# Altium PCB FMC_ADC_128CH_10B.PcbDoc (part 12 of 14) (continued)
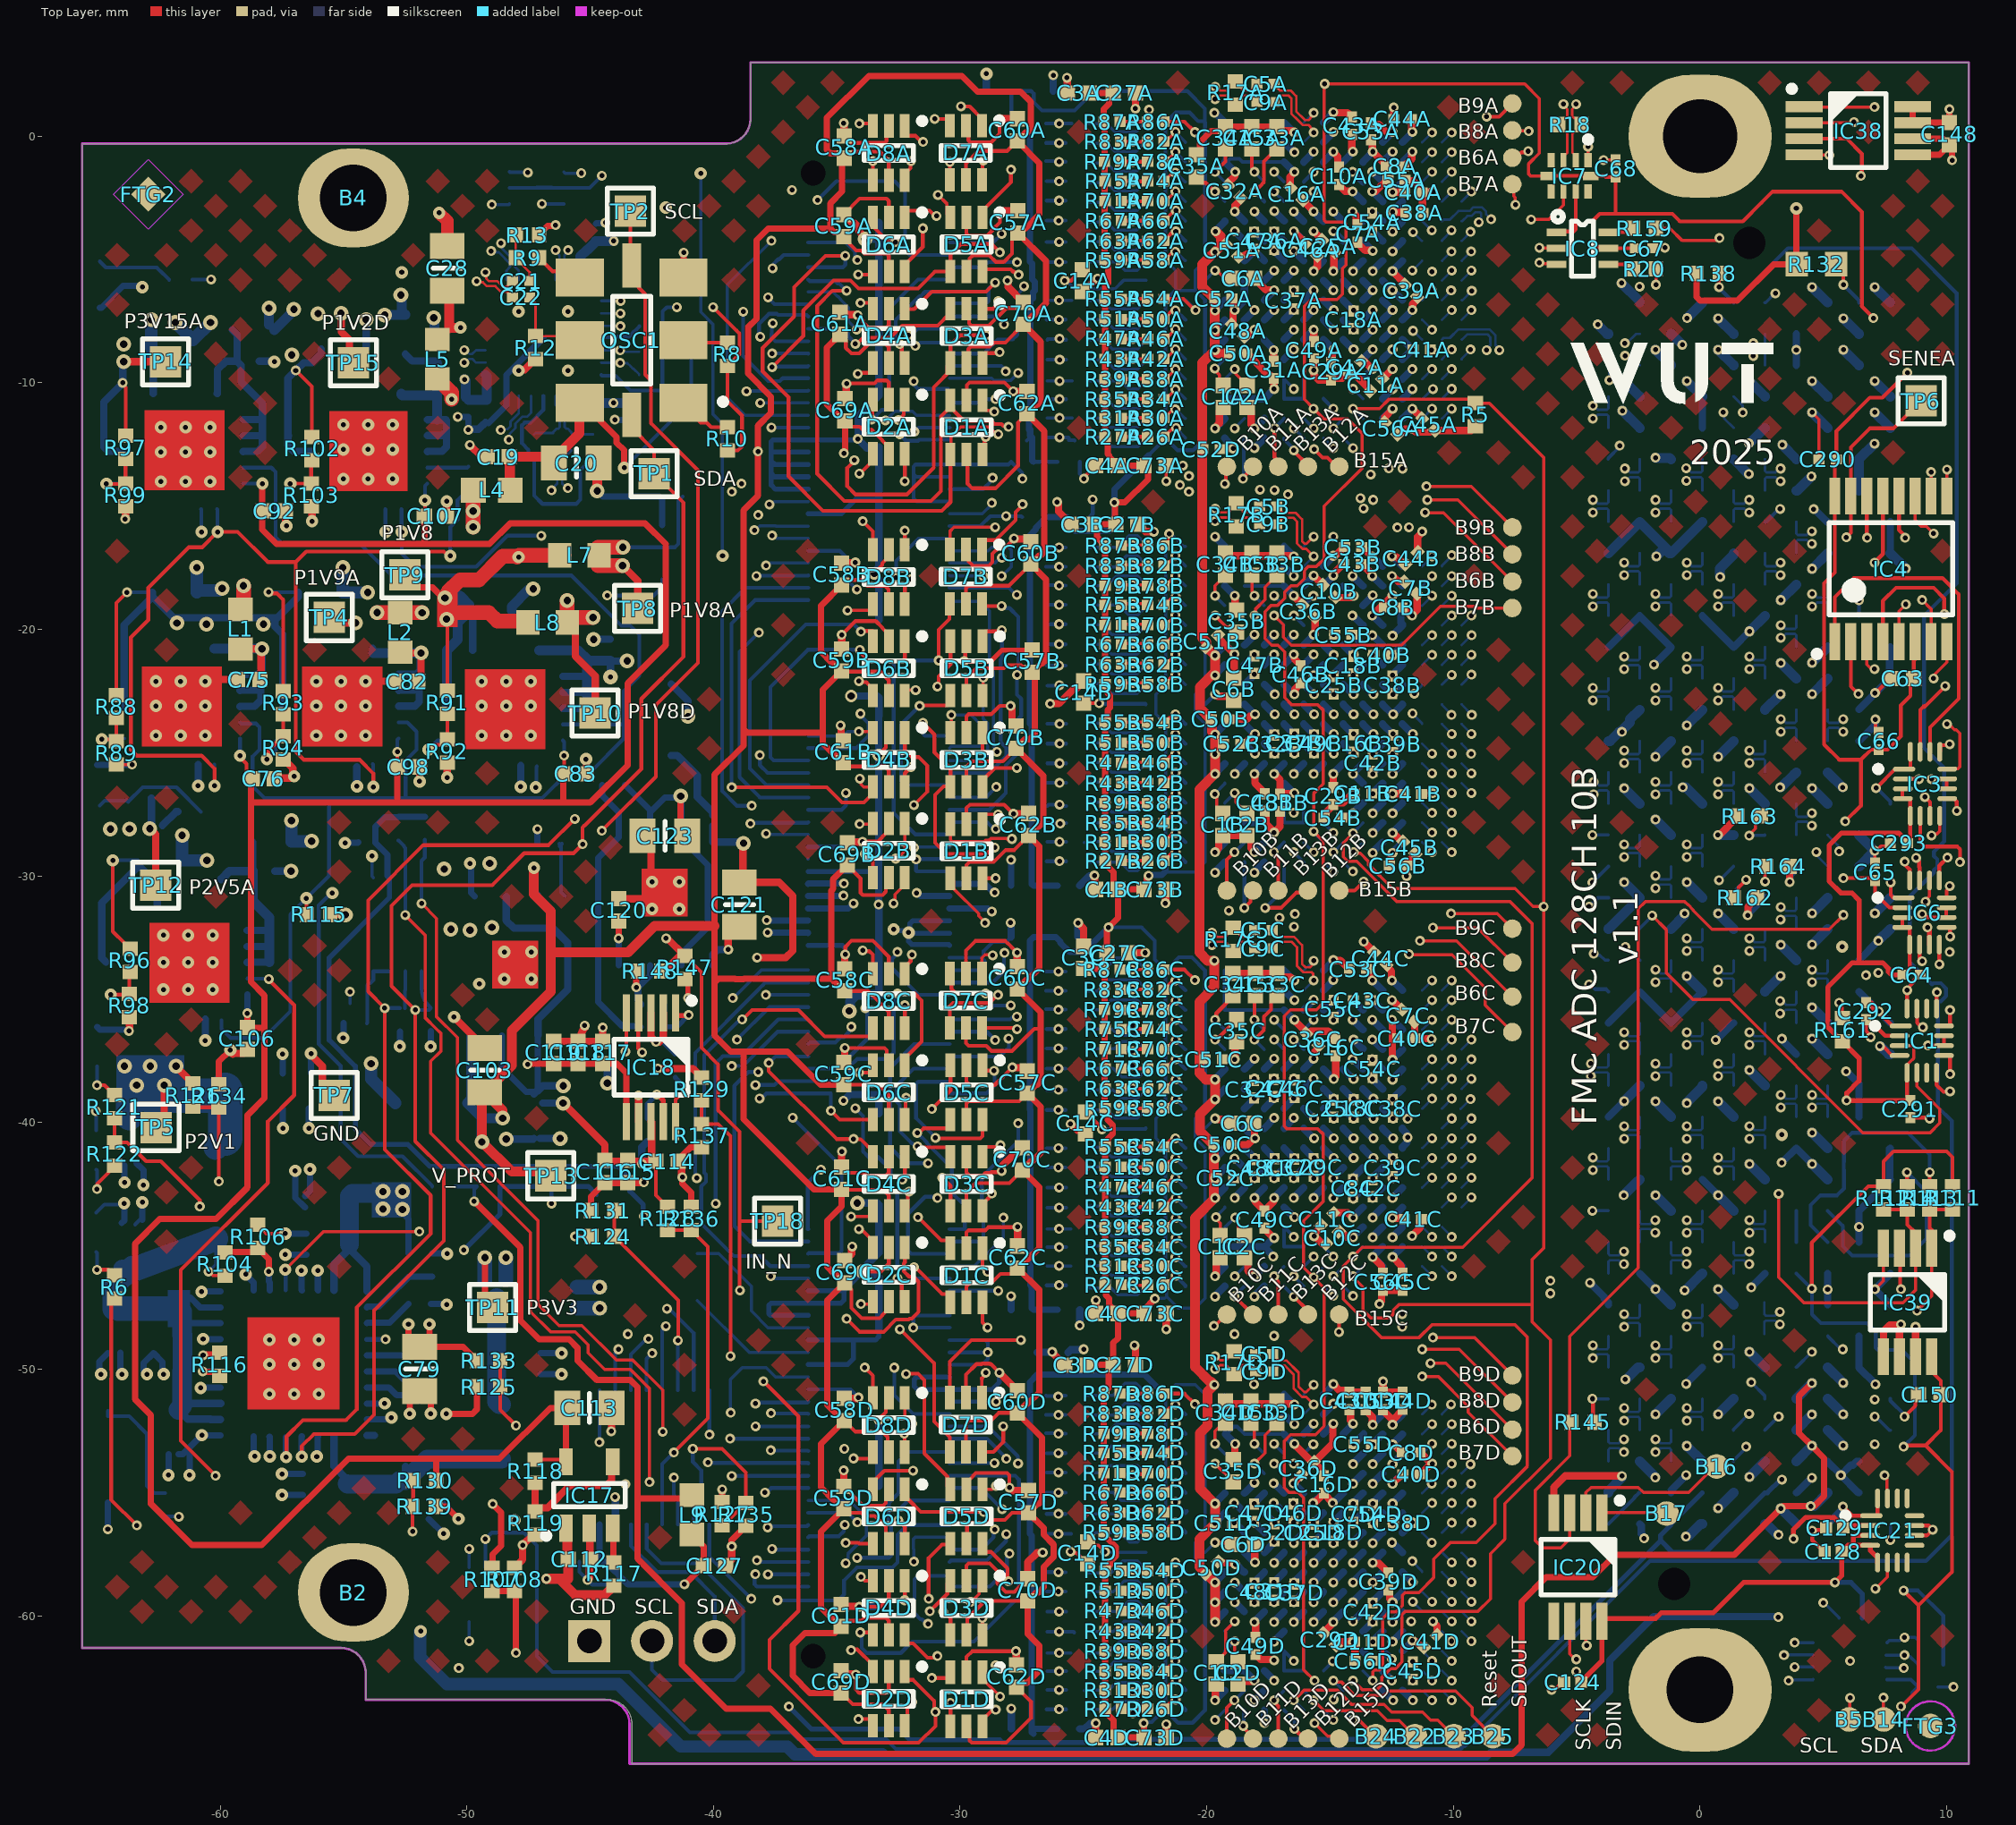
[diagram p0: Top Layer view]
## Nets (pads, with @x,y where several pads share a name; then routed paths per layer and width w, separated by ;. In a path a pad name is that pad's centre, name@x,y a point inside that pad or via, vN(x,y) a via of type N, cw(c..) or ccw(c..) an arc to the next point about the centre after c; other vN are vias at no path point) (continued)
  other v1: -15.667,-60.248 -15.667,-59.448 -14.867,-59.448 -15.678,-56.225 -14.878,-56.197 -15.667,-43.052 -14.867,-43.052 -15.667,-42.252 -14.867,-42.252 -14.845,-39.03 -14.045,-39.03 -14.045,-38.23 -15.667,-25.856 -14.845,-25.034 -14.045,-25.034 -15.667,-21.856 -14.867,-21.856 -14.845,-21.034 -14.045,-21.034 -16.708,-14.525 -17.253,-14.346 -17.844,-14.329 -14.045,-8.645 -14.845,-7.845 -14.045,-7.845
P1V8D: C38A.2 C38B.2 C38C.2 C38D.2 C39A.2 C39B.2 C39C.2 C39D.2 C40A.2 C40B.2 C40C.2 C40D.2 C41A.2 C41B.2 C41C.2 C41D.2 J1.91 J1.92 J1.93 J1.94 J1.95 L8.2 TP10.1 U1A.P4 U1A.P5 U1A.P6 U1A.P7 U1A.P11 U1A.P12 U1A.P13 U1A.P14 U1B.P4 U1B.P5 U1B.P6 U1B.P7 U1B.P11 U1B.P12 U1B.P13 U1B.P14 U1C.P4 U1C.P5 U1C.P6 U1C.P7 U1C.P11 U1C.P12 U1C.P13 U1C.P14 U1D.P4 U1D.P5 U1D.P6 U1D.P7 U1D.P11 U1D.P12 U1D.P13 U1D.P14 | length 40.4
  Top Layer w0.3: L8.2@-45.923,-19.715 -45.598,-20.04 -45.598,-21.084 -44.795,-21.887 TP10.1@-44.795,-23.391 ; C39D.2@-12.632,-58.95 -12.582,-59 -12.582,-59.306 -12.467,-59.421 v1(-12.467,-59.448) ; v1(-12.49,-35.83) -12.478,-35.841 -12.478,-37.441 v1(-12.467,-37.452) ; v1(-12.467,-54.648) -12.467,-54.637 -12.081,-54.252 C40D.2@-12.056,-54.252 ; v1(-12.467,-43.852) -12.448,-43.871 -12.025,-43.871 C41C.2@-11.985,-43.911 ; v1(-12.467,-26.656) -12.464,-26.66 -11.989,-26.66 C41B.2@-11.985,-26.663 ; v1(-12.467,-3.068) -12.451,-3.084 -11.946,-3.084 C38A.2@-11.93,-3.1 ; v1(-12.467,-2.268) -12.465,-2.269 -11.976,-2.269 C40A.2@-11.975,-2.271 ; v1(-11.667,-7.045) -11.648,-7.026 -11.648,-6.798 -11.447,-6.597 -11.447,-6.526 C39A.2@-11.465,-6.508 ; v1@-11.64,-61.003 -11.621,-61.022 -11.531,-61.022 -11.259,-61.294 -11.188,-61.294 C41D.2@-11.174,-61.28
  Top Layer w0.6: L8.2@-45.926,-19.83 v3(-45.926,-18.823) ; L8.2@-45.923,-19.315 L8.2@-45.918,-19.31 ; L8.2@-45.886,-19.514 v3(-44.879,-19.514)
  Bottom Layer w0.2: v2(-32.695,-32.157) -32.637,-32.214 -32.244,-32.214 -32.17,-32.289 v2(-32.089,-32.289) ; J1.95@-30.428,-32.812 -30.467,-32.774 -31.961,-32.774 -32.089,-32.647 v2(-32.089,-32.289) ; J1.93@-30.428,-32.312 -32.065,-32.312 v2(-32.089,-32.289) ; J1.91@-30.428,-31.812 -31.919,-31.812 -32.036,-31.93 -32.036,-32.237 v2(-32.089,-32.289)
  Bottom Layer w0.254: v1(-37.836,-31.788) -37.823,-31.8 -36.17,-31.8 J1.92@-36.158,-31.812 ; v1(-37.806,-32.289) -37.794,-32.301 -36.17,-32.301 J1.94@-36.158,-32.312
  Bottom Layer w0.3: v1@-12.467,-61.025 U1D.P13@-12.067,-60.625 ; v1@-12.467,-60.225 U1D.P12@-12.067,-59.825 ; v1@-12.467,-59.425 U1D.P11@-12.067,-59.025 ; v1@-12.467,-56.225 U1D.P7@-12.067,-55.825 ; v1@-12.467,-55.425 U1D.P6@-12.067,-55.025 ; v1@-12.467,-54.625 U1D.P5@-12.067,-54.225 ; v1@-12.467,-53.825 U1D.P4@-12.067,-53.425 ; v1@-12.467,-44.63 U1C.P14@-12.067,-44.23 ; v1@-12.467,-43.83 U1C.P13@-12.067,-43.43 ; v1@-12.467,-43.03 U1C.P12@-12.067,-42.63 ; v1@-12.467,-42.23 U1C.P11@-12.067,-41.83 ; v1@-12.467,-39.03 U1C.P7@-12.067,-38.63 ; v1@-12.467,-38.23 U1C.P6@-12.067,-37.83 ; v1@-12.467,-37.43 U1C.P5@-12.067,-37.03 ; v1@-12.467,-35.83 U1C.P4@-12.067,-36.23 ; v1@-12.467,-27.434 U1B.P14@-12.067,-27.034 ; v1@-12.467,-26.634 U1B.P13@-12.067,-26.234 ; v1@-12.467,-25.834 U1B.P12@-12.067,-25.434 ; v1@-12.467,-25.034 U1B.P11@-12.067,-24.634 ; v1@-12.467,-21.834 U1B.P7@-12.067,-21.434 ; v1@-12.467,-21.034 U1B.P6@-12.067,-20.634 ; v1@-12.467,-20.234 U1B.P5@-12.067,-19.834 -12.067,-19.793 -12.132,-19.729 -12.132,-19.243 -12.096,-19.207 -12.096,-19.063 U1B.P4@-12.067,-19.034 ; v1@-12.467,-4.645 U1A.P7@-12.067,-4.245 ; v1@-12.467,-3.845 U1A.P6@-12.067,-3.445 ; v1@-12.467,-3.045 U1A.P5@-12.067,-2.645 ; v1@-12.467,-2.245 U1A.P4@-12.067,-1.845 ; U1D.P14@-12.067,-61.425 v1@-11.667,-61.025 ; U1A.P14@-12.067,-9.845 v1(-11.667,-9.445) ; U1A.P13@-12.067,-9.045 v1(-11.667,-8.645) U1A.P12@-12.067,-8.245 ; U1A.P11@-12.067,-7.445 v1(-11.667,-7.045)
  other v1: -12.467,-61.048 -11.667,-61.003 -12.467,-60.248 -12.467,-56.248 -12.467,-55.448 -12.467,-53.848 -12.467,-44.652 -12.467,-43.052 -12.467,-42.252 -12.467,-39.052 -12.467,-38.252 -16.464,-32.053 -17.05,-31.693 -16.427,-31.538 -19.097,-31.398 -12.467,-27.456 -12.467,-25.856 -12.467,-25.056 -12.467,-21.856 -12.467,-21.056 -12.467,-20.256 -12.275,-15.866 -11.803,-15.853 -12.06,-13.474 -12.614,-13.465 -12.467,-4.668 -12.467,-3.868
P1V9A: C31A.2 C31B.2 C31C.2 C31D.2 C32A.2 C32B.2 C32C.2 C32D.2 C36A.2 C36B.2 C36C.2 C36D.2 C37A.2 C37B.2 C37C.2 C37D.2 C46A.2 C46B.2 C46C.2 C46D.2 C47A.2 C47B.2 C47C.2 C47D.2 C48A.2 C48B.2 C48C.2 C48D.2 C49A.2 C49B.2 C49C.2 C49D.2 C77.2 C93.2 IC9.1 IC9.18 IC9.19 IC9.20 IC12.1 IC12.18 IC12.19 IC12.20 IC22.11 R88.2 R93.2 TP4.1 U1A.F6 U1A.F7 U1A.F11 U1A.F12 U1A.G6 U1A.G7 U1A.G11 U1A.G12 U1A.H6 U1A.H7 U1A.H11 U1A.H12 U1A.H13 U1A.J6 U1A.J7 U1A.J11 U1A.J12 U1B.F6 U1B.F7 U1B.F11 U1B.F12 U1B.G6 U1B.G7 U1B.G11 U1B.G12 U1B.H6 U1B.H7 U1B.H11 U1B.H12 U1B.H13 U1B.J6 U1B.J7 U1B.J11 U1B.J12 U1C.F6 U1C.F7 U1C.F11 U1C.F12 U1C.G6 U1C.G7 U1C.G11 U1C.G12 U1C.H6 U1C.H7 U1C.H11 U1C.H12 U1C.H13 U1C.J6 U1C.J7 U1C.J11 U1C.J12 U1D.F6 U1D.F7 U1D.F11 U1D.F12 U1D.G6 U1D.G7 U1D.G11 U1D.G12 U1D.H6 U1D.H7 U1D.H11 U1D.H12 U1D.H13 U1D.J6 U1D.J7 U1D.J11 U1D.J12 | length 84.5
  Top Layer w0.15: R88.2@-64.208,-22.655 -64.208,-18.926 v1(-63.773,-18.491) ; v1(-58.041,-18.488) -57.993,-18.536 -57.693,-18.536 -57.438,-18.79 R93.2@-57.438,-22.298
  Top Layer w0.3: TP4.1@-55.568,-19.514 -55.353,-19.729 v3(-54.515,-19.729) ; v1@-18.867,-3.872 v1(-18.867,-3.845) ; v1(-18.867,-3.045) -18.848,-3.026 -18.848,-2.802 -18.613,-2.568 -18.613,-2.497 C32A.2@-18.631,-2.479 ; C48A.2@-18.492,-8.128 -18.481,-8.139 -18.41,-8.139 -18.135,-7.864 -18.086,-7.864 v1(-18.067,-7.845) ; v1(-18.067,-60.248) -18.067,-60.275 -18.019,-60.323 C49D.2@-18.019,-60.868 ; v1(-18.067,-43.052) -18.048,-43.071 -18.048,-43.19 C49C.2@-17.663,-43.575 ; v1(-18.067,-25.856) -18.048,-25.875 -18.048,-26.23 -17.641,-26.638 C48B.2@-17.641,-26.663 ; C49C.2@-17.663,-43.579 C49C.2@-17.663,-43.575 ; C31A.2@-17.286,-9.12 v1(-17.286,-8.67) ; v1(-17.267,-43.052) -17.286,-43.071 -17.286,-43.19 -17.663,-43.567 C49C.2@-17.663,-43.575 ; v1(-17.267,-25.856) -17.029,-26.094 C31B.2@-17.029,-26.679 -17.003,-26.653 -16.464,-26.653 v1(-16.445,-26.634) ; v1(-16.49,-54.625) -16.49,-54.614 -16.146,-54.271 C36D.2@-16.146,-54.26 ; v1(-16.467,-21.011) -16.448,-21.031 -16.448,-21.19 -16.193,-21.445 C46B.2@-16.193,-21.47 ; v1(-16.467,-3.845) -16.467,-3.872 -16.029,-4.311 C46A.2@-16.029,-4.344 ; v1(-15.667,-37.407) -15.648,-37.388 -15.648,-37.157 -15.451,-36.961 -15.451,-36.89 C36C.2@-15.469,-36.872 ; v1(-15.667,-20.211) -15.667,-20.184 -15.607,-20.124 -15.607,-19.521 C36B.2@-15.625,-19.504 ; v1(-15.667,-7.845) -15.656,-7.856 -15.656,-8.308 C49A.2@-15.645,-8.32
  Int1 (Sign) w0.15: v1(-43.469,-48.573) -43.469,-52.525 v1(-41.607,-54.388)
  Bottom Layer w0.15: v1(-41.607,-54.388) -41.607,-55.096 -41.437,-55.265 IC22.11@-41.437,-56.293
  Bottom Layer w0.152: v1(-63.773,-18.491) -62.752,-18.491 C77.2@-62.746,-18.498 ; v1(-58.041,-18.488) -56.836,-18.488 C93.2@-56.826,-18.498
  Bottom Layer w0.3: IC9.18@-63.891,-23.125 IC9.19@-63.891,-22.475 IC9.20@-63.891,-21.825 -63.891,-19.818 C77.2@-62.746,-18.673 ; C77.2@-62.746,-18.498 C77.2@-62.746,-18.673 ; IC12.18@-57.461,-23.116 IC12.19@-57.461,-22.466 IC12.20@-57.461,-21.816 -57.461,-20.198 -57.782,-19.877 -57.782,-19.629 -57.678,-19.525 ; C93.2@-56.826,-18.498 -56.826,-18.673 -57.678,-19.525 ; v1(-18.879,-41.445) -18.865,-41.445 -18.481,-41.83 U1C.F11@-18.467,-41.83 ; v1(-18.867,-58.648) -18.856,-58.648 -18.479,-59.025 U1D.F11@-18.467,-59.025 ; v1@-18.867,-55.425 U1D.F7@-18.467,-55.825 ; v1@-18.867,-43.03 U1C.F12@-18.467,-42.63 ; v1@-18.867,-25.834 U1B.F12@-18.467,-25.434 ; v1(-18.867,-3.845) U1A.F7@-18.467,-4.245 ; v1(-18.867,-3.045) U1A.F6@-18.467,-3.445 ; v1@-18.856,-59.448 U1D.F12@-18.479,-59.825 ; U1D.F6@-18.467,-55.025 v1@-18.067,-54.625 ; U1C.F7@-18.467,-38.63 v1@-18.067,-38.23 ; U1C.F6@-18.467,-37.83 v1@-18.067,-37.43 ; U1B.F11@-18.467,-24.634 v1@-18.067,-25.034 ; U1B.F7@-18.467,-21.434 v1@-18.067,-21.034 ; U1B.F6@-18.467,-20.634 v1@-18.067,-20.234 ; U1A.F12@-18.467,-8.245 v1(-18.067,-7.845) ; U1A.F11@-18.467,-7.445 v1(-18.067,-7.045) ; v1@-18.067,-60.225 U1D.G12@-17.667,-59.825 ; v1@-18.067,-59.425 U1D.G11@-17.667,-59.025 ; v1@-18.067,-55.425 U1D.G6@-17.667,-55.025 ; v1@-18.067,-43.03 U1C.G12@-17.667,-42.63 ; v1@-18.067,-42.23 U1C.G11@-17.667,-41.83 ; v1@-18.067,-25.834 U1B.G12@-17.667,-25.434 ; v1(-18.067,-3.845) U1A.G7@-17.667,-4.245 ; v1(-18.067,-3.045) U1A.G6@-17.667,-3.445 ; U1D.G7@-17.667,-55.825 v1@-17.267,-56.225 ; U1C.G7@-17.667,-38.63 v1@-17.267,-38.23 ; U1C.G6@-17.667,-37.83 v1@-17.267,-37.43 ; U1B.G11@-17.667,-24.634 v1@-17.267,-25.034 ; U1B.G7@-17.667,-21.434 v1@-17.267,-21.034 ; U1B.G6@-17.667,-20.634 v1@-17.267,-20.234 ; U1A.G12@-17.667,-8.245 -17.667,-8.267 -17.286,-8.648 v1(-17.286,-8.67) ; U1A.G11@-17.667,-7.445 v1(-17.267,-7.045) ; v1@-17.267,-61.025 U1D.H13@-16.867,-60.625 ; v1@-17.267,-60.225 U1D.H12@-16.867,-59.825 ; v1@-17.267,-59.425 U1D.H11@-16.867,-59.025 ; v1@-17.267,-55.425 U1D.H7@-16.867,-55.825 ; v1@-17.267,-54.625 U1D.H6@-16.867,-55.025 ; v1@-17.267,-43.03 U1C.H12@-16.867,-42.63 ; v1@-17.267,-42.23 U1C.H11@-16.867,-41.83 ; v1@-17.267,-25.834 U1B.H12@-16.867,-25.434 ; v1(-17.267,-3.845) U1A.H7@-16.867,-4.245 ; v1(-17.261,-3.031) U1A.H6@-16.861,-3.431 ; U1C.H13@-16.867,-43.43 v1@-16.467,-43.83 ; U1C.H7@-16.867,-38.63 v1@-16.467,-38.23 ; U1C.H6@-16.867,-37.83 v1@-16.467,-37.43 ; U1B.H13@-16.867,-26.234 v1@-16.467,-26.634 ; U1B.H11@-16.867,-24.634 v1@-16.467,-25.034 ; U1B.H7@-16.867,-21.434 v1@-16.467,-21.034 ; U1B.H6@-16.867,-20.634 v1@-16.467,-20.234 ; U1A.H13@-16.867,-9.045 v1(-16.467,-8.645) ; U1A.H12@-16.867,-8.245 v1(-16.467,-7.845) ; U1A.H11@-16.867,-7.445 v1(-16.467,-7.045) ; v1@-16.467,-60.225 U1D.J12@-16.067,-59.825 ; v1@-16.467,-59.425 U1D.J11@-16.067,-59.025 ; v1@-16.467,-55.425 U1D.J7@-16.067,-55.825 ; v1@-16.467,-54.625 U1D.J6@-16.067,-55.025 ; v1@-16.467,-43.03 U1C.J12@-16.067,-42.63 ; v1@-16.467,-42.23 U1C.J11@-16.067,-41.83 ; v1@-16.467,-25.834 U1B.J12@-16.067,-25.434 ; v1(-16.467,-3.845) U1A.J7@-16.067,-4.245 ; v1(-16.467,-3.045) U1A.J6@-16.067,-3.445 ; U1C.J7@-16.067,-38.63 v1@-15.667,-38.23 ; U1C.J6@-16.067,-37.83 v1@-15.667,-37.43 ; U1B.J11@-16.067,-24.634 v1@-15.667,-25.034 ; U1B.J7@-16.067,-21.434 v1@-15.667,-21.034 ; U1B.J6@-16.067,-20.634 v1@-15.667,-20.234 ; U1A.J12@-16.067,-8.245 v1(-15.667,-7.845) ; U1A.J11@-16.067,-7.445 v1(-15.667,-7.045) ; C77.2@-62.746,-18.673 -61.894,-19.525 -57.678,-19.525
  other v1: -17.267,-61.048 -17.267,-60.248 -16.467,-60.248 -18.867,-59.448 -18.067,-59.448 -17.267,-59.448 -16.467,-59.448 -17.245,-56.225 -18.067,-55.448 -18.89,-55.425 -17.29,-55.425 -16.49,-55.425 -17.29,-54.625 -18.067,-54.603 -16.445,-43.83 -18.867,-43.052 -16.467,-43.052 -18.067,-42.252 -17.267,-42.252 -16.467,-42.252 -18.067,-38.207 -17.267,-38.207 -16.467,-38.207 -15.667,-38.207 -18.067,-37.407 -17.267,-37.407 -16.467,-37.407 -18.867,-25.856 -16.467,-25.856 -18.045,-25.034 -17.245,-25.034 -16.445,-25.034 -15.645,-25.034 -18.067,-21.011 -17.267,-21.011 -15.667,-21.011 -18.067,-20.211 -17.267,-20.211 -16.467,-20.211
  other v3: -60.551,-19.782 -58.243,-19.782 -61.749,-19.739
P2V1: C78.1 C86.2 C88.1 IC11.5 IC11.6 IC11.7 IC11.8 L1.1 L2.1 L3.2 R126.2 TP5.1 | length 21.4
  Top Layer w0.3: TP5.1@-62.266,-40.11 v3(-62.266,-38.481) ; v3(-61.783,-37.704) -61.783,-37.732 R126.2@-61.102,-38.413
  Top Layer w0.6: L1.1@-59.229,-19.211 -59.056,-19.038 v3(-59.056,-18.229) ; v3(-53.635,-19.311) L2.1@-52.628,-19.311 ; L2.1@-52.817,-19.321 v3(-51.81,-19.321)
  Bottom Layer w0.3: IC11.8@-46.11,-23.201 -45.162,-23.201 -45.118,-23.157 ; IC11.7@-46.11,-22.551 -45.163,-22.551 -45.118,-22.596 ; IC11.6@-46.11,-21.901 -45.207,-21.901 -45.118,-21.812 ; C78.1@-44.187,-21.292 -44.176,-21.302 -44.176,-21.911 v5(-44.166,-21.921) ; C78.1@-44.187,-21.272 -44.177,-21.282 -43.505,-21.282 v3(-43.495,-21.272)
  Bottom Layer w0.4: IC11.5@-47.074,-20.851 -45.482,-20.851 -45.061,-21.272 ; -45.118,-23.157 -45.118,-22.596 -45.118,-21.812 -45.118,-21.272 ; -44.977,-21.272 C78.1@-44.187,-21.272
  Bottom Layer w1: L3.2@-60.167,-41.008 L3.2@-59.797,-40.638
  Bottom Layer w1.1: C86.2@-63.682,-39.766 -63.682,-38.783 v3(-63.38,-38.481)
  Bottom Layer w1.4: -62.843,-38.903 C88.1@-60.302,-38.903 ; L3.2@-59.797,-40.638 C88.1@-59.797,-38.673
  other v3: -63.879,-37.704 -62.831,-37.704
P2V5A: C101.2 IC15.1 IC15.18 IC15.19 IC15.20 L4.1 L5.2 R1.2 R2.2 R96.2 R120.2 R129.2 R140.2 R160.2 TP12.1 | length 22.3
  Top Layer w0.152: v2(-64.349,-29.36) -64.349,-32.249 -63.887,-32.711 -63.887,-32.731 -63.673,-32.945 R96.2@-63.653,-32.945
  Top Layer w0.3: v3@-62.85,-27.977 -62.85,-28.058 -62.609,-28.299 TP12.1@-62.609,-30.368 ; v1(-42.253,-37.806) -40.836,-37.806 R129.2@-40.479,-38.163
  Top Layer w0.6: L5.2@-51.198,-9.842 -51.173,-9.842 -50.617,-10.397 v2(-50.617,-10.661) ; v3@-49.743,-15.847 -49.734,-15.839 L4.1@-49.734,-14.354
  Bottom Layer w0.152: v2(-64.349,-29.36) C101.2@-63.34,-29.36
  Bottom Layer w0.254: v2(-55.012,-36.569) -54.989,-36.546 R160.2@-54.989,-35.963 ; v2(-52.715,-36.901) -52.711,-36.898 -52.711,-36.307 R1.2@-52.708,-36.303 ; v2(-51.464,-36.912) -51.451,-36.9 R2.2@-51.451,-36.288
  Bottom Layer w0.3: -64.626,-33.493 -64.802,-33.318 -64.802,-31.096 -63.34,-29.635 -63.24,-29.635 -62.965,-29.91 -62.965,-30.01 -62.548,-30.427 IC15.1@-62.548,-31.153 ; IC15.18@-63.608,-33.493 IC15.18@-63.598,-33.503 ; v3(-62.85,-28.077) -62.787,-28.014 R120.2@-62.787,-26.834 ; -62.341,-27.949 -61.783,-27.391 R140.2@-61.718,-27.391
  other v3: -64.448,-28.093 -63.674,-28.088 -49.738,-15.843 -49.743,-15.195
P3V3: C95.2 C96.1 C117.2 C118.1 C119.2 C129.1 IC18.6 IC21.2 J1.85 J1.86 J1.87 J1.88 J1.89 J1.90 L6.2 L10.1 L11.1 LD1.2 LD2.2 R115.2 R127.2 R132.1 R138.1 TP11.1 | length 181.9
  Top Layer w0.2: v1@3.782,-56.843 v1(3.794,-56.874) 3.794,-56.499 4.287,-56.005 5.411,-56.005 5.415,-56.009 5.434,-56.009 5.546,-56.12 5.546,-56.14 5.806,-56.4 C129.1@5.806,-56.424 5.888,-56.342 IC21.2@6.893,-56.342
  Top Layer w0.254: R115.2@-55.536,-31.562 -55.532,-31.566 -54.925,-31.566 v3(-54.921,-31.57) ; v3(-49.264,-45.474) -49.264,-47.182 TP11.1@-48.952,-47.494 ; v1(-47.538,-37.631) -47.51,-37.604 C119.2@-46.477,-37.604 C118.1@-45.489,-37.604 C117.2@-44.49,-37.604 -43.911,-37.604 -43.532,-37.983 IC18.6@-43.532,-39.953 ; R127.2@-39.645,-55.391 v1(-39.645,-54.872) ; R138.1@-0.138,-5.56 -0.138,-6.515 0.011,-6.663 1.515,-6.663 2.986,-5.193 R132.1@3.917,-5.193 3.903,-5.178 v2(3.903,-2.924)
  Int1 (Sign) w0.254: v2(-52.636,-5.517) -52.636,-5.499 -49.409,-2.273 -42.558,-2.273 v2(-41.936,-2.895) ; v2(-48.063,-56.121) -40.894,-56.121 v1(-39.645,-54.872)
  Int4 (Sign) w0.254: v2(-41.936,-2.895) -41.932,-2.895 -41.891,-2.936 -38.923,-2.936 -34.903,1.083 -32.298,1.083 -31.694,1.687 -29.803,1.687 -29.433,1.317 -25.95,1.317 -24.905,0.272 -21.991,0.272 -21.645,0.618 -20.313,0.618 -20.012,0.318 -18.387,0.318 -17.045,1.659 -7.442,1.659 -6.299,0.515 -6.299,0.133 -2.741,-3.425 0.898,-3.425 1.441,-2.881 3.86,-2.881 v2(3.903,-2.924)
  Int4 (Sign) w0.3: v1(3.176,-60.049) 3.176,-58.726 3.794,-58.109 v1(3.794,-56.874)
  Bottom Layer w0.254: LD1.2@-64.875,-6.952 -64.814,-6.952 -63.933,-6.071 -63.197,-6.071 v2(-63.151,-6.117) ; v1(-64.553,-56.483) LD2.2@-64.553,-55.406 ; L10.1@-58.019,-7.634 L10.1@-57.799,-7.854 ; v3@-57.01,-7.064 v3(-57.01,-7.015) ; J1.90@-36.158,-31.312 -34.527,-31.312 -34.324,-31.109 v1(-34.322,-31.109) ; J1.88@-36.158,-30.812 -34.745,-30.812 v1(-34.728,-30.795) ; J1.86@-36.158,-30.312 -36.152,-30.306 v1(-34.709,-30.306) ; v1(-31.766,-30.687) -31.726,-30.687 -31.613,-30.8 -30.44,-30.8 J1.87@-30.428,-30.812 ; J1.89@-30.428,-31.312 -28.873,-31.312 -28.751,-31.434 v1(-28.712,-31.434) ; J1.85@-30.428,-30.312 -30.415,-30.325 -28.981,-30.325 -28.637,-30.669 v1(-28.597,-30.669)
  Bottom Layer w0.3: -33.146,-65.71 -8.65,-65.71 -8.468,-65.528 -6.148,-65.528 -3.658,-63.038 -3.658,-61.807 -1.879,-60.027 3.154,-60.027 v1(3.176,-60.049)
  Bottom Layer w0.4: L10.1@-58.019,-7.634 v3(-58.019,-6.971) ; L10.1@-57.799,-7.854 v3@-57.01,-7.064
  Bottom Layer w0.5: v3(-57.104,-27.747) -57.107,-27.75 -57.107,-28.598 L11.1@-57.109,-28.601 -57.099,-28.59 -56.297,-28.59 v3(-56.287,-28.58) ; v2(-51.871,-60.624) -51.896,-60.65 -51.896,-61.682 -50.81,-62.767 -43.855,-62.767 -41.323,-65.299 -37.002,-65.299 -36.691,-65.61 -33.146,-65.61
  Bottom Layer w0.6: C96.1@-49.264,-46.387 v3(-49.264,-45.474) ; C96.1@-48.412,-46.383 v3(-48.412,-45.471)
  Bottom Layer w0.762: C96.1@-48.796,-47.1 -48.796,-51.317 -48.677,-51.436 L6.2@-48.597,-51.436
  other v3: -49.87,-32.189 -50.643,-32.157 -48.983,-32.079 -50.914,-29.714 -49.069,-29.484
P3V3_FMC: J6.c39 J6.d36 J6.d38 J6.d40 L9.1 R90.1 R100.2 R121.2 R122.2 R124.2 | length 115.2
  Top Layer w0.152: R121.2@-64.286,-39.823 R122.2@-64.286,-40.798 -63.769,-40.798 -63.002,-41.564 -62.404,-41.564 -60.825,-43.143 v1(-60.825,-43.399) ; v1(-45.608,-44.617) R124.2@-44.953,-44.617
  Top Layer w0.254: v1(-49.7,-43.186) -47.832,-45.055 -47.832,-48.017 -47.064,-48.785 -45.857,-48.785 -45.507,-49.135 -45.507,-49.651 -44.718,-50.44 -43.372,-50.44 -43.083,-50.73 -43.083,-55.231 ; L9.1@-40.874,-55.1 -41.004,-55.231 -43.083,-55.231 ; v1(4.53,-50.562) 4.014,-51.078 4.014,-52.585 v1(4.53,-53.102) 5.032,-53.603 5.032,-55.152 4.627,-55.556 v1(4.492,-55.556) 3.362,-55.556 v1(3.27,-55.647) 1.392,-57.526 -3.447,-57.526 -4.344,-58.423 -6.232,-58.423 -7.24,-59.431 -7.24,-65.242 -7.6,-65.602 -35.853,-65.602 -37.69,-63.765 -39.48,-63.765 -41.281,-61.964 -41.281,-59.479 -43.083,-57.677 -43.083,-55.231
  Int1 (Sign) w0.152: v1(-60.825,-43.399) -60.825,-43.961 -60.801,-43.985 -56.533,-43.985 -56.283,-44.235 -52.523,-44.235 -51.915,-43.627 -50.141,-43.627 v1(-49.7,-43.186) -48.27,-44.617 v1(-45.608,-44.617)
  Bottom Layer w0.152: R100.2@-50.465,-42.586 R90.1@-49.59,-42.586 -49.7,-42.696 v1(-49.7,-43.186)
  Bottom Layer w0.4: v1(3.27,-55.647) 3.897,-56.274 J6.d40@3.903,-56.274 ; J6.d38@3.903,-53.734 3.903,-53.729 v1(4.53,-53.102) ; J6.d36@3.903,-51.194 3.903,-51.189 v1(4.53,-50.562) ; v1(4.492,-55.556) 4.627,-55.556 5.173,-55.01 J6.c39@5.173,-55.004
P3V15A: C50A.2 C50B.2 C50C.2 C50D.2 C51A.2 C51B.2 C51C.2 C51D.2 C52A.2 C52B.2 C52C.2 C52D.2 C108.2 C111.2 C114.2 C115.1 C116.2 C123.2 IC13.2 IC13.6 IC13.7 IC14.1 IC14.18 IC14.19 IC14.20 IC18.8 IC19.2 IC19.6 IC19.7 R95.1 R97.2 R128.2 R141.2 R144.2 TP14.1 U1A.E6 U1A.E7 U1A.E10 U1A.E11 U1A.E12 U1B.E6 U1B.E7 U1B.E10 U1B.E11 U1B.E12 U1C.E6 U1C.E7 U1C.E10 U1C.E11 U1C.E12 U1D.E6 U1D.E7 U1D.E10 U1D.E11 U1D.E12 | length 152.6
  Top Layer w0.15: v1(-63.948,-10) -63.948,-10.068 -63.833,-10.183 R97.2@-63.833,-12.143 ; C114.2@-42.328,-41.564 -42.328,-42.936 R128.2@-41.855,-43.41
  Top Layer w0.254: v3@-41.386,-26.816 -41.326,-26.875 -41.326,-28.111 C123.2@-41.069,-28.367
  Top Layer w0.3: v3(-63.913,-9.143) -62.21,-9.143 TP14.1@-62.205,-9.148 ; v3(-46.095,-39.205) -44.403,-40.898 C116.2@-44.403,-41.532 -44.371,-41.564 -43.481,-41.564 -42.887,-41.564 C114.2@-42.328,-41.564 -42.504,-41.389 -42.504,-39.982 IC18.8@-42.532,-39.953
  Top Layer w0.4: C51B.2@-20.016,-20.708 v1(-19.667,-21.056) -19.667,-21.72 -20.275,-22.327 -20.275,-23.193 -19.834,-23.634 C50B.2@-19.809,-23.634 -19.784,-23.634 -19.784,-24.14 v1(-19.667,-24.256) v1(-19.667,-25.056) v1(-19.667,-25.856) -20.302,-26.491 -20.302,-33.094 -19.966,-33.43 v1(-19.69,-33.43) -19.69,-34.492 -20.302,-35.104 -20.302,-37.995 -20.045,-38.252 v1(-19.667,-38.252) v1(-19.667,-39.052) -20.275,-39.66 -20.275,-40.353 -19.738,-40.89 C50C.2@-19.713,-40.89 -19.713,-43.006 v1(-19.667,-43.052) -20.479,-43.863 -20.479,-49.897 -19.877,-50.499 -19.816,-50.499 v1(-19.69,-50.625) -19.969,-50.905 -19.969,-52.287 -20.275,-52.593 -20.275,-54.84 v1(-19.667,-55.448) v1(-19.667,-56.248) -20.302,-56.882 -20.302,-58.013 v1(-19.667,-58.648) v1(-19.667,-59.448) v1(-19.667,-60.248) ; C51B.2@-20.013,-20.705 -20.013,-20.507 -20.183,-20.338 -20.183,-9.183 v1(-19.667,-8.668) ; v1(-19.642,-3.852) -19.419,-4.075 -19.419,-4.442 -20.177,-5.2 -20.177,-6.103 -19.703,-6.577 C52A.2@-19.678,-6.577 -19.678,-8.656 v1(-19.667,-8.668) ; C50A.2@-19.076,-8.796 -19.538,-8.796 v1(-19.667,-8.668)
  Int1 (Sign) w0.5: v1(-19.69,-33.43) -19.69,-34.598 -20.227,-35.136 -20.227,-37.692 v1(-19.667,-38.252) v1(-19.667,-39.052) -19.682,-39.052 -20.227,-39.598 -20.227,-40.475 -19.667,-41.035 v1(-19.667,-41.452) v1(-19.667,-42.252) v1(-19.667,-43.052) ; v1(-19.667,-60.248) v1(-19.667,-59.448) v1(-19.667,-58.648) -20.479,-57.836 -20.479,-57.003 -19.723,-56.248 v1(-19.667,-56.248) v1(-19.667,-55.448) ; v1(-19.667,-25.856) v1(-19.667,-25.056) v1(-19.667,-24.256) -19.667,-23.927 -20.227,-23.367 -20.227,-22.403 -19.898,-22.074 -19.885,-22.074 v1(-19.667,-21.856) v1(-19.667,-21.056) ; v1(-19.667,-8.668) v1(-19.667,-7.868) v1(-19.667,-7.068) -19.667,-6.736 -20.227,-6.176 -20.227,-5.213 -19.704,-4.69 v1(-19.667,-4.69) -19.642,-4.665 v1(-19.642,-3.852)
  Bottom Layer w0.15: R95.1@-44.302,-37.744 R95.1@-44.285,-37.727
  Bottom Layer w0.152: U1C.E11@-19.267,-41.83 U1C.E11@-19.213,-41.884 ; U1C.E10@-19.267,-41.073 U1C.E10@-19.267,-41.03
  Bottom Layer w0.254: IC13.7@-48.577,-36.467 -48.577,-37.77 -47.597,-38.749 C111.2@-47.191,-38.749 ; C111.2@-47.114,-38.708 IC13.6@-47.114,-36.453 ; R144.2@-43.578,-26.312 -42.571,-27.319 IC19.6@-42.571,-27.42 ; IC19.6@-42.571,-27.959 IC19.6@-42.571,-27.42 ; IC19.2@-41.301,-33.609 -41.301,-33.152 -40.225,-32.076 -40.225,-29.556 -41.301,-28.48 IC19.7@-41.301,-27.959 -41.301,-26.901 -41.386,-26.816 -41.967,-26.816 IC19.6@-42.571,-27.42
  Bottom Layer w0.3: v3(-63.913,-9.143) -63.9,-9.13 -63.169,-9.13 -62.794,-8.755 -62.794,-8.63 -62.714,-8.71 IC14.1@-62.714,-10.437 ; v3@-63.772,-9.143 -63.948,-9.319 -63.948,-10.017 -64.715,-10.784 -64.715,-12.602 -64.539,-12.777 -63.773,-12.777 IC14.18@-63.764,-12.787 ; C108.2@-62.794,-8.58 C108.2@-62.792,-8.579 ; IC13.2@-48.402,-30.822 -48.402,-31.799 -48.091,-32.11 -46.504,-32.11 -45.909,-32.705 -45.909,-34.604 -47.114,-35.808 IC13.6@-47.114,-36.453 ; C111.2@-47.279,-38.837 -47.132,-38.69 -47.114,-38.708 -46.914,-38.508 v3(-46.088,-38.508) ; C111.2@-46.921,-39.205 v3(-46.095,-39.205) ; v3(-44.302,-38.393) R95.1@-44.302,-37.744 ; v1@-42.9,-41.665 -42.9,-40.989 R141.2@-42.683,-40.772 ; v1@-19.667,-60.225 U1D.E12@-19.267,-59.825 ; v1@-19.667,-59.425 U1D.E11@-19.267,-59.025 ; v1@-19.667,-58.625 U1D.E10@-19.267,-58.225 ; v1@-19.667,-56.225 U1D.E7@-19.267,-55.825 ; v1@-19.667,-55.425 U1D.E6@-19.267,-55.025 ; v1@-19.667,-43.03 U1C.E12@-19.267,-42.63 ; v1@-19.667,-42.23 U1C.E11@-19.267,-41.83 ; v1@-19.667,-41.43 U1C.E10@-19.267,-41.03 ; v1@-19.667,-39.03 U1C.E7@-19.267,-38.63 ; v1@-19.667,-38.23 U1C.E6@-19.267,-37.83 ; v1@-19.667,-25.834 U1B.E12@-19.267,-25.434 ; v1@-19.667,-25.034 U1B.E11@-19.267,-24.634 ; v1@-19.667,-24.234 U1B.E10@-19.267,-23.834 ; v1@-19.667,-21.834 U1B.E7@-19.267,-21.434 ; v1@-19.667,-21.034 U1B.E6@-19.267,-20.634 ; v1@-19.667,-8.645 U1A.E12@-19.267,-8.245 ; v1@-19.667,-7.845 U1A.E11@-19.267,-7.445 ; v1@-19.667,-7.045 U1A.E10@-19.267,-6.645 ; v1(-19.667,-4.69) -19.667,-4.668 -19.267,-4.268 U1A.E7@-19.267,-4.245 ; v1(-19.642,-3.852) -19.642,-3.836 -19.267,-3.461 U1A.E6@-19.267,-3.445
  Bottom Layer w0.5: C108.2@-62.792,-8.579 v3(-62.792,-7.44)
  other v1: -42.887,-41.678
  other v3: -41.328,-26.758 -63.913,-8.427
P5V0A: C76.2 C83.2 C92.2 C98.2 C106.2 C107.2 C113.2 IC9.10 IC11.10 IC12.10 IC14.10 IC15.10 IC16.10 IC17.5 R118.2 R130.2 | length 114.6
  Top Layer w0.152: v2(-59.191,-25.123) -59.191,-25.19 -58.935,-25.446 -58.935,-25.818 C76.2@-58.701,-26.052 ; C98.2@-52.814,-25.574 v1(-52.814,-24.957) ; C107.2@-51.72,-15.404 -51.694,-15.379 v2(-51.694,-14.764) ; R118.2@-47.229,-53.66 -46.069,-53.66 IC17.5@-45.981,-53.749 ; v1(-46.054,-25.117) -46.054,-25.839 C83.2@-46.041,-25.851
  Top Layer w0.254: v1(-58.898,-35.564) -58.897,-35.565 -58.897,-36.133 C106.2@-58.896,-36.134 ; C106.2@-58.886,-36.163 -58.202,-36.163 ; C76.2@-58.701,-26.052 -58.749,-26.1 -58.749,-27.013 ; v2(-58.289,-14.087) -58.289,-15.955 -57.715,-16.529 -51.718,-16.529 ; C98.2@-52.814,-25.574 -52.814,-27.013 ; C107.2@-51.72,-15.404 -51.718,-15.405 -51.718,-16.529 ; R130.2@-51.235,-54.511 -51.235,-53.659 -51.271,-53.623 ; C83.2@-46.041,-25.851 -46.091,-25.901 -46.091,-27.013 ; IC17.5@-45.981,-53.749 -45.981,-51.619 C113.2@-45.931,-51.569 -46.621,-51.569 -48.675,-53.623 -51.271,-53.623 ; -58.749,-27.013 -58.749,-34.295 -58.202,-34.842 -58.202,-36.163 ; -58.749,-27.013 -52.814,-27.013 ; -58.202,-36.163 -58.202,-39.004 -58.886,-39.688 -58.886,-42.623 -60.168,-43.905 -62.447,-43.905 -63.454,-44.911 -63.454,-51.21 -62.804,-51.861 -62.804,-55.464 -61.136,-57.132 -58.31,-57.132 -54.801,-53.623 -51.271,-53.623 ; -52.814,-27.013 -46.091,-27.013 ; -51.718,-16.529 -49.074,-16.529 -48.25,-15.705 -42.766,-15.705 -41.936,-16.535 -41.936,-20.638 -43.481,-22.182 -43.481,-25.503 -44.991,-27.013 -46.091,-27.013
  Bottom Layer w0.152: v2(-59.191,-25.123) IC9.10@-59.191,-24.425 ; IC14.10@-59.064,-14.087 v2(-58.289,-14.087) ; v1(-52.814,-24.957) -52.814,-24.47 IC12.10@-52.761,-24.416 ; v2(-51.694,-14.764) -51.694,-14.179 -51.603,-14.087 IC16.10@-51.596,-14.087 ; IC11.10@-46.11,-24.501 -46.054,-24.557 v1(-46.054,-25.117)
  Bottom Layer w0.254: v1(-58.898,-35.564) IC15.10@-58.898,-34.803
P12V0: C79.2 C80.2 C112.2 IC10.28 IC10.29 IC17.1 J6.c35 J6.c37 R6.2 R117.1 R125.2 | length 123.4
  Top Layer w0.15: R6.2@-64.286,-47.135 -64.419,-47.269 -64.419,-50.021 -64.41,-50.03 -64.41,-50.373 -64.419,-50.382 -64.419,-55.292 v1(-63.38,-56.331)
  Top Layer w0.254: v2(-52.311,-51.799) -52.311,-51.284 -51.913,-50.886 C79.2@-51.911,-50.886 -51.857,-50.886 -51.459,-51.284 v2(-51.459,-51.795) ; v2(-50.835,-51.807) -49.771,-51.807 -49.584,-51.621 R125.2@-49.584,-50.708
  Top Layer w0.4: v1(-46.775,-58.495) -45.884,-58.495 -45.881,-58.492 C112.2@-45.881,-57.699 -45.931,-57.649 -45.931,-56.499 IC17.1@-45.981,-56.449 ; -46.26,-58.495 -45.589,-59.166 -44.428,-59.166 R117.1@-44.031,-58.769
  Int6 (Sign) w0.15: v1(-63.38,-56.331) -62.514,-55.465 -58.86,-55.465 -58.35,-55.975 -56.559,-55.975 -54.199,-53.615 -52.49,-53.615 -51.459,-52.585 -51.459,-51.799 v2(-51.459,-51.795)
  Int6 (Sign) w0.6: v1(5.806,-53.091) 6.443,-52.454 6.443,-51.189 v1(5.806,-50.551)
  Int6 (Sign) w0.8: v2(-52.311,-51.799) -51.459,-51.799 -49.601,-51.799 -46.775,-54.625 v1(-46.775,-58.495) -46.775,-62.139 -46.306,-62.607 -43.418,-62.607 -40.725,-65.3 -5.8,-65.3 -3.675,-63.175 -3.675,-61.818 -1.847,-59.99 -0.184,-59.99 2.379,-57.426 3.37,-57.426 3.508,-57.564 4.079,-57.564 4.414,-57.23 5.915,-57.23 6.73,-56.416 6.73,-54.015 v1(5.806,-53.091)
  Bottom Layer w0.254: IC10.29@-54.052,-50.735 -53.154,-50.735 -52.844,-51.046 -52.403,-51.046 -52.311,-51.138 -52.26,-51.086 -52.111,-51.086 C80.2@-51.911,-50.886 -52.086,-50.886 -52.888,-50.085 IC10.28@-54.052,-50.085 ; v2(-52.311,-51.799) C80.2@-52.311,-51.171 ; C80.2@-52.162,-51.171 -52.027,-51.171 C80.2@-51.911,-51.286 ; v2(-51.459,-51.795) C80.2@-51.459,-50.883
  Bottom Layer w0.4: J6.c37@5.173,-52.464 5.179,-52.464 v1(5.806,-53.091) ; J6.c35@5.173,-49.924 5.179,-49.924 v1(5.806,-50.551)